# Altium PCB Board.PcbDoc (part 3 of 4)
Units mm, origin at the board's own origin, x right, y up, seen from the top; angles counter-clockwise.
Board outline 69.6 x 30 mm, 6 copper layers (Top Layer, Int1 (GND), Int2 (Sign), Int3 (Sign), Int4 (PWR), Bottom Layer), stack 1.538 mm thick; 168 components, 266 nets, 1359 pads, 531 vias.
Unrouted connection lines stored in the file: 254.
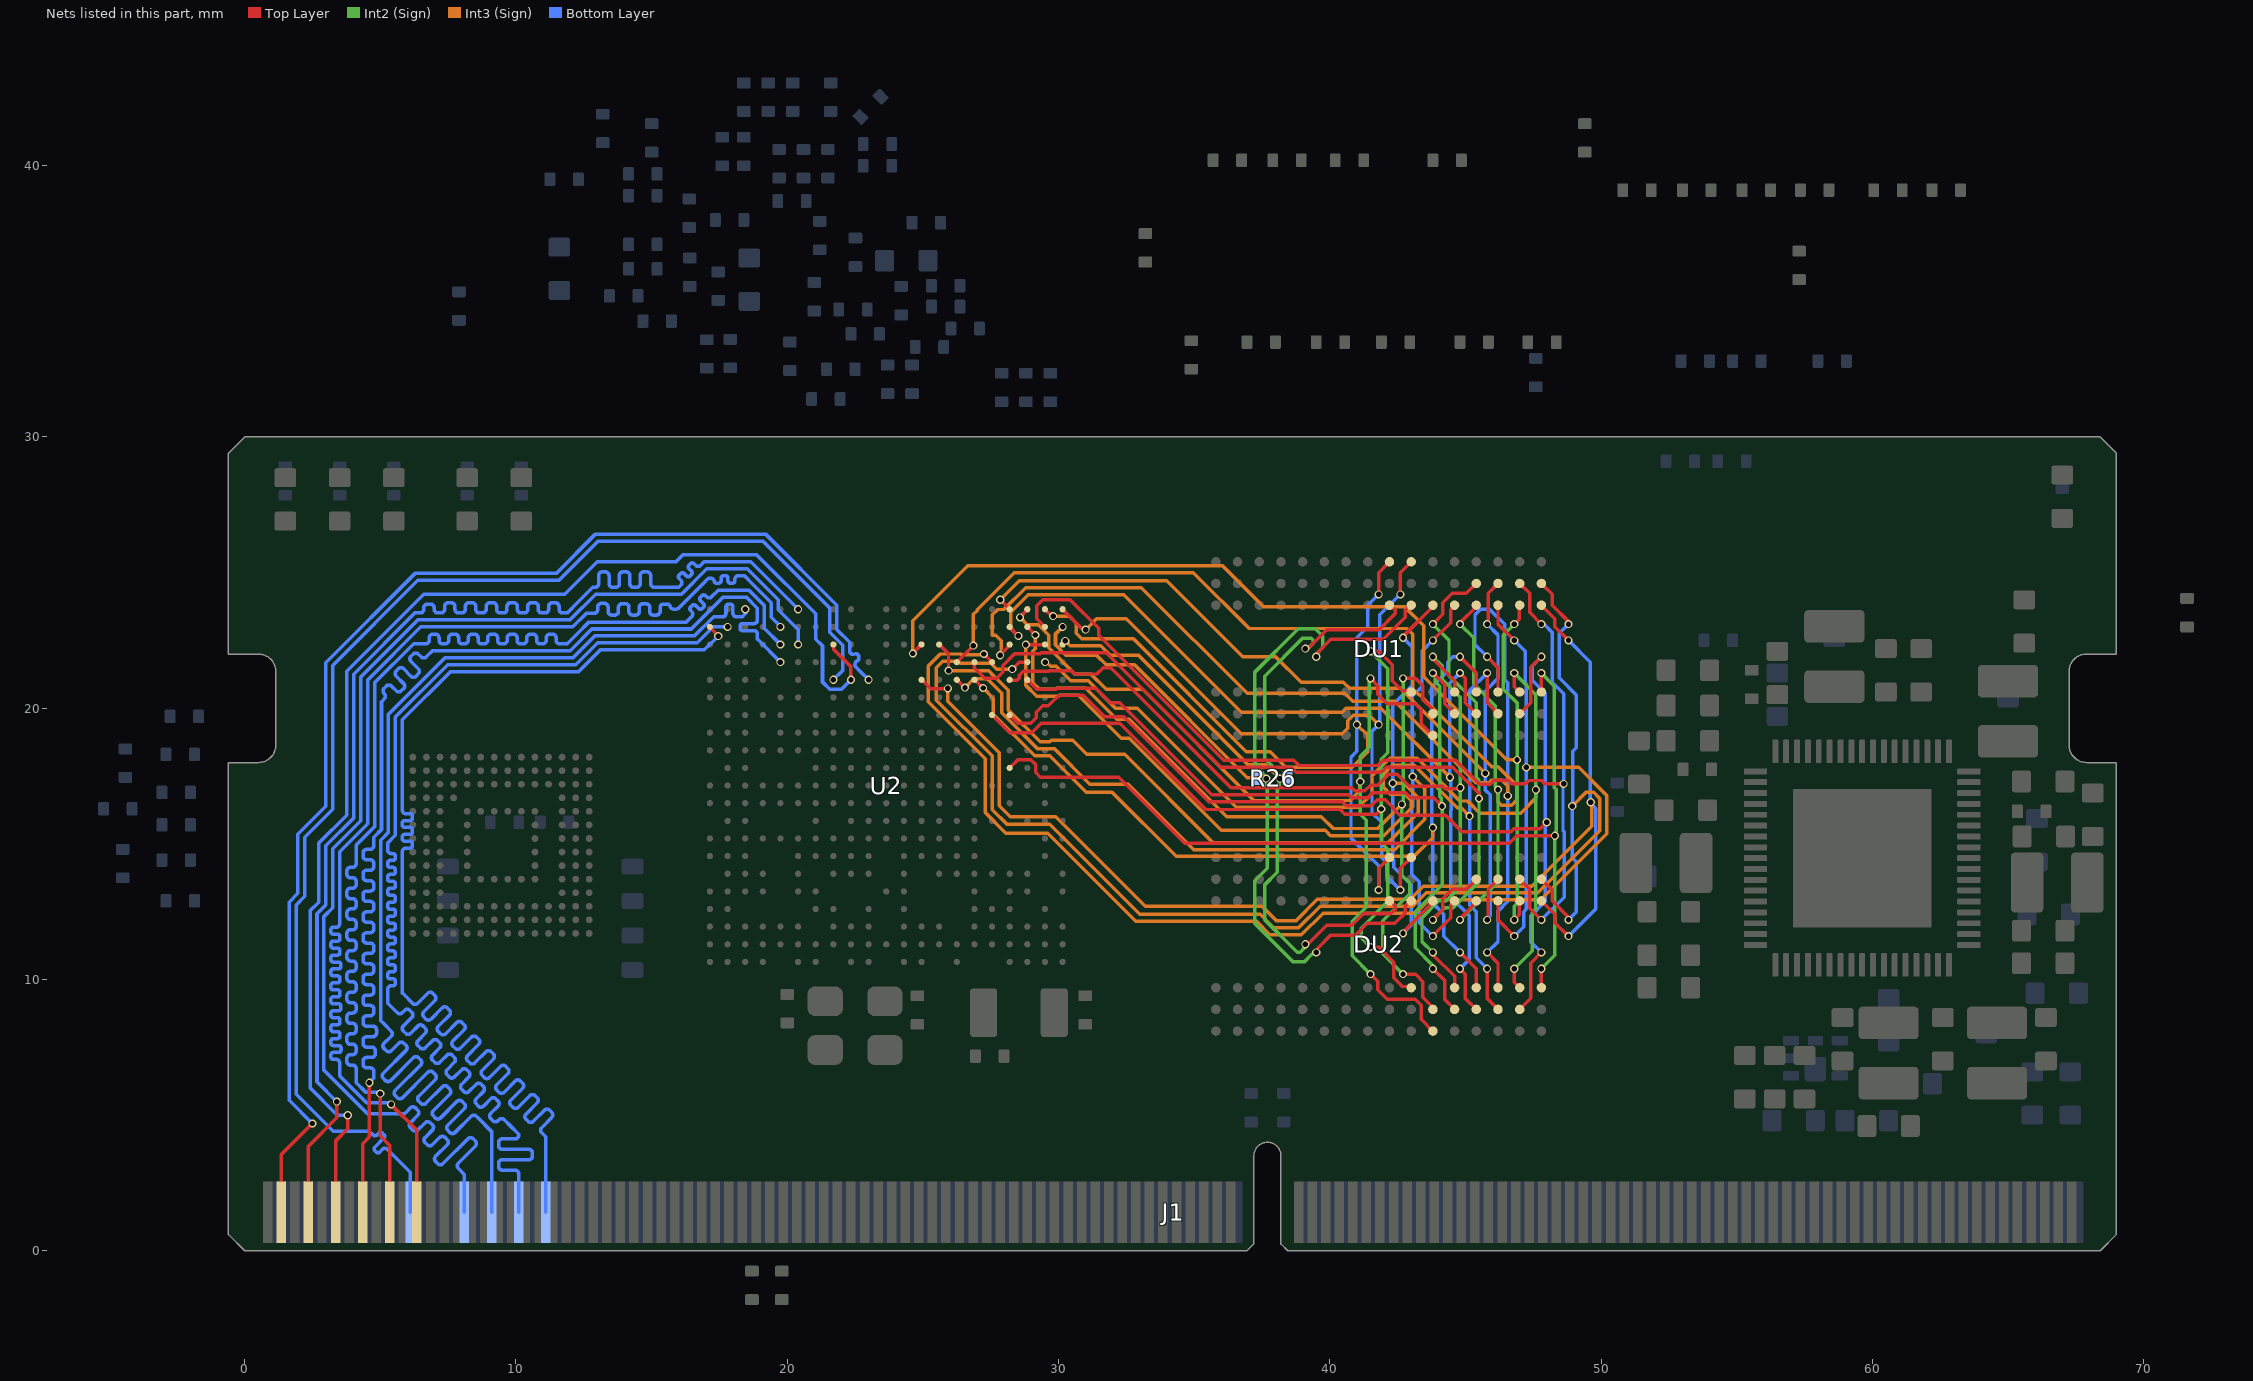
[diagram p7: the nets of this part, all layers, seen from the top]

## Via types
v1: diameter 0.3, hole 0.2, Top Layer to Bottom Layer, tented both sides, 363 vias
v2: diameter 0.45, hole 0.2, Top Layer to Bottom Layer, tented both sides, 117 vias
v3: diameter 0.4, hole 0.2, Top Layer to Bottom Layer, tented both sides, 35 vias
v4: diameter 0.8, hole 0.3, Top Layer to Bottom Layer, 16 vias

## Nets (pads, with @x,y where several pads share a name; then routed paths per layer and width w, separated by ;. In a path a pad name is that pad's centre, name@x,y a point inside that pad or via, vN(x,y) a via of type N, cw(c..) or ccw(c..) an arc to the next point about the centre after c; other vN are vias at no path point) (continued)
RGMII_RX1: J1.38 U2.B20 | length 49.1
  Bottom Layer w0.13: J1.38@10.1,1.422 10.1,2.425 10.1,2.84 ccw(c9.966,2.84) 9.966,2.974 9.491,2.974 cw(c9.491,3.108) 9.357,3.108 9.357,3.223 cw(c9.491,3.223) 9.491,3.357 10.474,3.357 ccw(c10.474,3.492) 10.608,3.492 10.608,3.607 ccw(c10.474,3.607) 10.474,3.741 9.491,3.741 cw(c9.491,3.875) 9.357,3.875 9.357,3.99 cw(c9.491,3.99) 9.491,4.125 9.966,4.125 ccw(c9.966,4.259) 10.1,4.259 10.1,4.3 9.76,4.64 9.61,4.79 9.564,4.836 ccw(c9.47,4.742) 9.376,4.836 9.339,4.798 cw(c9.245,4.892) 9.151,4.798 9.071,4.879 cw(c9.164,4.973) 9.071,5.067 9.338,5.334 ccw(c9.244,5.428) 9.338,5.522 9.257,5.602 ccw(c9.163,5.508) 9.069,5.602 8.802,5.335 cw(c8.708,5.429) 8.614,5.335 8.534,5.416 cw(c8.628,5.509) 8.534,5.603 8.801,5.871 ccw(c8.707,5.965) 8.801,6.059 8.721,6.139 ccw(c8.627,6.045) 8.533,6.139 8.265,5.872 cw(c8.171,5.966) 8.078,5.872 7.997,5.952 cw(c8.091,6.046) 7.997,6.14 8.265,6.408 ccw(c8.171,6.502) 8.265,6.596 8.184,6.676 ccw(c8.09,6.582) 7.996,6.676 7.729,6.409 cw(c7.635,6.502) 7.541,6.409 7.46,6.489 cw(c7.554,6.583) 7.46,6.677 7.728,6.945 ccw(c7.634,7.039) 7.728,7.133 7.648,7.213 ccw(c7.554,7.119) 7.46,7.213 7.192,6.945 cw(c7.098,7.039) 7.004,6.945 6.924,7.026 cw(c7.017,7.12) 6.924,7.214 7.192,7.482 ccw(c7.098,7.576) 7.192,7.67 7.111,7.75 ccw(c7.017,7.656) 6.923,7.75 6.655,7.482 cw(c6.561,7.576) 6.467,7.482 6.387,7.563 cw(c6.481,7.656) 6.387,7.75 6.656,8.019 ccw(c6.562,8.113) 6.656,8.207 6.575,8.288 ccw(c6.481,8.194) 6.387,8.288 6.118,8.019 cw(c6.024,8.113) 5.931,8.019 5.85,8.099 cw(c5.944,8.193) 5.85,8.287 6.163,8.6 ccw(c6.069,8.694) 6.163,8.788 6.082,8.868 ccw(c5.988,8.774) 5.894,8.868 5.807,8.781 cw(c5.713,8.875) 5.619,8.781 5.418,8.982 5.272,9.128 5.272,9.321 5.272,9.642 cw(c5.402,9.642) 5.402,9.772 5.468,9.772 ccw(c5.468,9.862) 5.558,9.862 5.558,9.939 ccw(c5.468,9.939) 5.468,10.028 5.362,10.028 cw(c5.362,10.118) 5.272,10.118 5.272,10.195 cw(c5.362,10.195) 5.362,10.285 5.468,10.285 ccw(c5.468,10.375) 5.558,10.375 5.558,10.452 ccw(c5.468,10.452) 5.468,10.541 5.362,10.541 cw(c5.362,10.631) 5.272,10.631 5.272,10.708 cw(c5.362,10.708) 5.362,10.798 5.468,10.798 ccw(c5.468,10.888) 5.558,10.888 5.558,10.965 ccw(c5.468,10.965) 5.468,11.054 5.362,11.054 cw(c5.362,11.144) 5.272,11.144 5.272,11.221 cw(c5.362,11.221) 5.362,11.311 5.468,11.311 ccw(c5.468,11.401) 5.558,11.401 5.558,11.478 ccw(c5.468,11.478) 5.468,11.568 5.362,11.568 cw(c5.362,11.657) 5.272,11.657 5.272,11.734 cw(c5.362,11.734) 5.362,11.824 5.468,11.824 ccw(c5.468,11.914) 5.558,11.914 5.558,11.991 ccw(c5.468,11.991) 5.468,12.081 5.362,12.081 cw(c5.362,12.17) 5.272,12.17 5.272,12.247 cw(c5.362,12.247) 5.362,12.337 5.468,12.337 ccw(c5.468,12.427) 5.558,12.427 5.558,12.504 ccw(c5.468,12.504) 5.468,12.594 5.362,12.594 cw(c5.362,12.683) 5.272,12.683 5.272,12.76 cw(c5.362,12.76) 5.362,12.85 5.468,12.85 ccw(c5.468,12.94) 5.558,12.94 5.558,13.017 ccw(c5.468,13.017) 5.468,13.107 5.362,13.107 cw(c5.362,13.197) 5.272,13.197 5.272,13.274 cw(c5.362,13.274) 5.362,13.363 5.468,13.363 ccw(c5.468,13.453) 5.558,13.453 5.558,13.53 ccw(c5.468,13.53) 5.468,13.62 5.362,13.62 cw(c5.362,13.71) 5.272,13.71 5.272,13.787 cw(c5.362,13.787) 5.362,13.876 5.468,13.876 ccw(c5.468,13.966) 5.558,13.966 5.558,14.043 ccw(c5.468,14.043) 5.468,14.133 5.362,14.133 cw(c5.362,14.223) 5.272,14.223 5.272,14.3 cw(c5.362,14.3) 5.362,14.389 5.468,14.389 ccw(c5.468,14.479) 5.558,14.479 5.558,14.556 ccw(c5.468,14.556) 5.468,14.646 5.402,14.646 cw(c5.402,14.776) 5.272,14.776 5.272,15.035 5.557,15.319 5.557,15.323 5.557,19.677 7.489,21.609 12.209,21.609 13.009,22.409 16.681,22.409 17.276,23.004 17.796,23.004 v1(17.8,23)
RGMII_RX2: J1.22 U2.H17 | length 48.5
  Bottom Layer w0.13: J1.22@6.1,1.422 6.1,2.9 5.306,3.694 5.26,3.74 ccw(c5.169,3.648) 5.077,3.74 4.977,3.64 cw(c4.913,3.703) 4.85,3.64 4.795,3.694 cw(c4.859,3.758) 4.795,3.821 5.131,4.157 ccw(c5.068,4.22) 5.131,4.284 5.077,4.338 ccw(c5.013,4.275) 4.95,4.338 4.897,4.286 cw(c4.806,4.377) 4.714,4.286 4.598,4.402 4.237,4.402 3.27,4.402 1.896,5.776 1.896,12.747 2.217,13.069 2.217,15.245 3.248,16.276 3.248,21.576 6.385,24.713 11.587,24.713 13.04,26.165 19.094,26.165 21.563,23.696 21.563,22.8 22.042,22.321 22.042,21.392 v1(21.7,21.05)
RGMII_RX3: J1.34 U2.C21 | length 48.6
  Bottom Layer w0.13: J1.34@9.1,1.422 9.1,4.4 8.586,4.914 8.54,4.96 ccw(c8.446,4.866) 8.353,4.96 7.754,4.361 cw(c7.66,4.455) 7.566,4.361 7.485,4.441 cw(c7.579,4.535) 7.485,4.629 8.096,5.239 ccw(c8.002,5.333) 8.096,5.427 8.015,5.508 ccw(c7.921,5.414) 7.827,5.508 7.217,4.898 cw(c7.123,4.992) 7.029,4.898 6.949,4.978 cw(c7.043,5.072) 6.949,5.166 7.559,5.776 ccw(c7.465,5.87) 7.559,5.964 7.478,6.044 ccw(c7.384,5.951) 7.29,6.044 6.68,5.434 cw(c6.586,5.528) 6.492,5.434 6.412,5.515 cw(c6.506,5.609) 6.412,5.703 7.022,6.313 ccw(c6.928,6.407) 7.022,6.501 6.942,6.581 ccw(c6.848,6.487) 6.754,6.581 5.817,5.645 cw(c5.723,5.739) 5.629,5.645 5.549,5.725 cw(c5.643,5.819) 5.549,5.913 6.485,6.85 ccw(c6.391,6.944) 6.485,7.037 6.405,7.118 ccw(c6.311,7.024) 6.217,7.118 5.378,6.279 cw(c5.284,6.373) 5.19,6.279 5.11,6.359 cw(c5.203,6.453) 5.11,6.547 5.949,7.386 ccw(c5.855,7.48) 5.949,7.574 5.868,7.655 ccw(c5.774,7.561) 5.68,7.655 5.403,7.378 cw(c5.309,7.472) 5.216,7.378 5.135,7.458 cw(c5.229,7.552) 5.135,7.646 5.4,7.912 ccw(c5.306,8.006) 5.4,8.1 5.097,8.403 5.016,8.484 5.016,15.141 5.3,15.426 5.3,19.783 7.383,21.866 12.103,21.866 12.903,22.666 16.575,22.666 17.285,23.376 17.548,23.376 17.613,23.376 ccw(c17.613,23.506) 17.742,23.506 17.742,23.744 cw(c17.832,23.744) 17.832,23.834 17.909,23.834 cw(c17.909,23.744) 17.999,23.744 17.999,23.506 ccw(c18.129,23.506) 18.129,23.376 18.35,23.376 18.402,23.429 18.494,23.521 18.494,23.56 18.45,23.604 v1(18.45,23.65)
RGMII_RXCK: J1.42 U2.A20 | length 48.6
  Top Layer w0.127: U2.A20@17.15,23 17.15,22.985 17.457,22.678 v1(17.457,22.663)
  Bottom Layer w0.127: J1.42@11.1,1.422 11.1,3.688 11.1,4.2 10.948,4.353 cw(c11.042,4.447) 10.948,4.541 11.321,4.914 ccw(c11.227,5.009) 11.321,5.103 11.24,5.184 ccw(c11.146,5.089) 11.051,5.184 10.639,4.771 cw(c10.545,4.865) 10.45,4.771 10.369,4.852 cw(c10.464,4.946) 10.369,5.04 10.782,5.453 ccw(c10.688,5.547) 10.782,5.642 10.701,5.723 ccw(c10.607,5.628) 10.513,5.723 10.078,5.288 cw(c9.984,5.382) 9.889,5.288 9.809,5.369 cw(c9.903,5.463) 9.809,5.557 10.243,5.992 ccw(c10.149,6.086) 10.243,6.18 10.162,6.261 ccw(c10.068,6.167) 9.974,6.261 9.561,5.848 cw(c9.466,5.942) 9.372,5.848 9.291,5.929 cw(c9.385,6.023) 9.291,6.117 9.704,6.531 ccw(c9.61,6.625) 9.704,6.719 9.624,6.8 ccw(c9.529,6.706) 9.435,6.8 9.022,6.387 cw(c8.928,6.481) 8.834,6.387 8.753,6.468 cw(c8.847,6.562) 8.753,6.657 9.166,7.07 ccw(c9.071,7.164) 9.166,7.258 9.085,7.339 ccw(c8.991,7.245) 8.896,7.339 8.484,6.926 cw(c8.389,7.021) 8.295,6.926 8.214,7.007 cw(c8.309,7.101) 8.214,7.196 8.627,7.608 ccw(c8.533,7.703) 8.627,7.797 8.546,7.878 ccw(c8.452,7.783) 8.357,7.878 7.945,7.465 cw(c7.851,7.56) 7.757,7.465 7.676,7.546 cw(c7.77,7.641) 7.676,7.735 8.088,8.147 ccw(c7.994,8.241) 8.088,8.336 8.007,8.417 ccw(c7.913,8.322) 7.819,8.417 7.407,8.005 cw(c7.312,8.099) 7.218,8.005 7.137,8.085 cw(c7.231,8.18) 7.137,8.274 7.549,8.686 ccw(c7.455,8.78) 7.549,8.875 7.468,8.955 ccw(c7.374,8.861) 7.28,8.955 6.868,8.544 cw(c6.774,8.638) 6.68,8.544 6.599,8.625 cw(c6.693,8.719) 6.599,8.814 7.01,9.225 ccw(c6.916,9.319) 7.01,9.413 6.93,9.494 ccw(c6.835,9.4) 6.741,9.494 6.374,9.127 cw(c6.279,9.221) 6.185,9.127 5.858,9.455 5.813,9.5 5.813,14.4 5.813,14.718 cw(c5.94,14.718) 5.94,14.845 6.094,14.845 ccw(c6.094,14.933) 6.183,14.933 6.183,15.01 ccw(c6.094,15.01) 6.094,15.099 5.901,15.099 cw(c5.901,15.187) 5.812,15.187 5.812,15.264 cw(c5.901,15.264) 5.901,15.353 6.094,15.353 ccw(c6.094,15.441) 6.183,15.441 6.183,15.518 ccw(c6.094,15.518) 6.094,15.607 5.901,15.607 cw(c5.901,15.695) 5.812,15.695 5.812,15.772 cw(c5.901,15.772) 5.901,15.861 6.094,15.861 ccw(c6.094,15.949) 6.183,15.949 6.183,16.026 ccw(c6.094,16.026) 6.094,16.115 5.94,16.115 cw(c5.94,16.242) 5.813,16.242 5.813,16.758 5.813,19.572 7.595,21.354 12.315,21.354 13.115,22.154 16.948,22.154 v1(17.457,22.663)
RGMII_RXCTL: J1.30 U2.F19 | length 48.5
  Bottom Layer w0.13: J1.30@8.1,1.422 8.1,2.447 8.1,2.812 7.87,3.041 cw(c7.965,3.136) 7.87,3.231 8.501,3.862 ccw(c8.406,3.956) 8.501,4.051 8.419,4.133 ccw(c8.325,4.038) 8.23,4.133 7.306,3.209 cw(c7.211,3.304) 7.116,3.209 7.035,3.291 cw(c7.13,3.386) 7.035,3.48 7.464,3.91 ccw(c7.369,4.005) 7.464,4.1 7.383,4.181 ccw(c7.288,4.086) 7.193,4.181 6.92,3.908 cw(c6.826,4.003) 6.731,3.908 6.649,3.99 cw(c6.744,4.085) 6.649,4.18 6.922,4.452 ccw(c6.827,4.547) 6.922,4.642 6.841,4.723 ccw(c6.746,4.629) 6.651,4.723 6.383,4.456 cw(c6.288,4.551) 6.193,4.456 6.112,4.537 cw(c6.207,4.632) 6.112,4.727 6.379,4.995 ccw(c6.285,5.09) 6.379,5.184 6.298,5.266 ccw(c6.203,5.171) 6.108,5.266 5.936,5.093 cw(c5.841,5.188) 5.841,5.054 5.154,5.054 4.528,5.054 2.922,6.66 2.922,12.322 3.243,12.643 3.243,14.82 4.274,15.851 4.274,21.151 6.323,23.2 6.38,23.257 11.994,23.257 12.937,24.2 16.1,24.2 17.039,25.139 18.532,25.139 19.67,24.002 19.67,23.63 20.4,22.9 v1(20.4,22.35)
RGMII_TXCK: J1.19 U2.E19 | length 47
  Top Layer w0.13: v1(4.996,5.796) 4.996,4.238 5.35,3.883 J1.19@5.35,1.422
  Bottom Layer w0.13: v1(4.996,5.796) 4.937,5.854 4.454,5.854 4.107,6.201 4.107,6.649 4.107,6.714 ccw(c3.973,6.714) 3.973,6.848 3.903,6.848 cw(c3.903,6.982) 3.769,6.982 3.769,7.097 cw(c3.903,7.097) 3.903,7.231 3.973,7.231 ccw(c3.973,7.366) 4.107,7.366 4.107,7.481 ccw(c3.973,7.481) 3.973,7.615 3.903,7.615 cw(c3.903,7.749) 3.769,7.749 3.769,7.864 cw(c3.903,7.864) 3.903,7.999 3.973,7.999 ccw(c3.973,8.133) 4.108,8.133 4.108,8.248 ccw(c3.973,8.248) 3.973,8.382 3.903,8.382 cw(c3.903,8.516) 3.769,8.516 3.769,8.631 cw(c3.903,8.631) 3.903,8.766 3.973,8.766 ccw(c3.973,8.9) 4.108,8.9 4.108,9.015 ccw(c3.973,9.015) 3.973,9.149 3.903,9.149 cw(c3.903,9.283) 3.769,9.283 3.769,9.398 cw(c3.903,9.398) 3.903,9.533 3.974,9.533 ccw(c3.974,9.667) 4.108,9.667 4.108,9.782 ccw(c3.974,9.782) 3.974,9.916 3.903,9.916 cw(c3.903,10.051) 3.769,10.051 3.769,10.166 cw(c3.903,10.166) 3.903,10.3 3.974,10.3 ccw(c3.974,10.434) 4.108,10.434 4.108,10.549 ccw(c3.974,10.549) 3.974,10.683 3.903,10.683 cw(c3.903,10.818) 3.769,10.818 3.769,10.933 cw(c3.903,10.933) 3.903,11.067 3.974,11.067 ccw(c3.974,11.201) 4.108,11.201 4.108,11.316 ccw(c3.974,11.316) 3.974,11.45 3.903,11.45 cw(c3.903,11.585) 3.769,11.585 3.769,11.7 cw(c3.903,11.7) 3.903,11.834 3.974,11.834 ccw(c3.974,11.968) 4.108,11.968 4.108,12.083 ccw(c3.974,12.083) 3.974,12.218 3.903,12.218 cw(c3.903,12.352) 3.769,12.352 3.769,12.467 cw(c3.903,12.467) 3.903,12.601 3.974,12.601 ccw(c3.974,12.735) 4.108,12.735 4.108,12.85 ccw(c3.974,12.85) 3.974,12.985 3.903,12.985 cw(c3.903,13.119) 3.769,13.119 3.769,13.234 cw(c3.903,13.234) 3.903,13.368 3.974,13.368 ccw(c3.974,13.502) 4.108,13.502 4.108,13.617 ccw(c3.974,13.617) 3.974,13.752 3.903,13.752 cw(c3.903,13.886) 3.769,13.886 3.769,14.001 cw(c3.903,14.001) 3.903,14.135 3.973,14.135 ccw(c3.973,14.269) 4.107,14.269 4.107,14.958 4.787,15.638 4.787,20.938 6.228,22.379 6.61,22.379 6.675,22.379 ccw(c6.675,22.508) 6.805,22.508 6.805,22.601 cw(c6.93,22.601) 6.93,22.727 7.038,22.727 cw(c7.038,22.601) 7.164,22.601 7.164,22.505 ccw(c7.29,22.505) 7.29,22.379 7.398,22.379 ccw(c7.398,22.505) 7.524,22.505 7.524,22.601 cw(c7.65,22.601) 7.65,22.727 7.757,22.727 cw(c7.757,22.601) 7.883,22.601 7.883,22.505 ccw(c8.009,22.505) 8.009,22.379 8.117,22.379 ccw(c8.117,22.505) 8.243,22.505 8.243,22.601 cw(c8.369,22.601) 8.369,22.727 8.476,22.727 cw(c8.476,22.601) 8.602,22.601 8.602,22.505 ccw(c8.728,22.505) 8.728,22.379 8.836,22.379 ccw(c8.836,22.505) 8.962,22.505 8.962,22.601 cw(c9.088,22.601) 9.088,22.727 9.196,22.727 cw(c9.196,22.601) 9.321,22.601 9.321,22.505 ccw(c9.447,22.505) 9.447,22.379 9.555,22.379 ccw(c9.555,22.505) 9.681,22.505 9.681,22.601 cw(c9.807,22.601) 9.807,22.727 9.915,22.727 cw(c9.915,22.601) 10.04,22.601 10.04,22.505 ccw(c10.166,22.505) 10.166,22.379 10.274,22.379 ccw(c10.274,22.505) 10.4,22.505 10.4,22.601 cw(c10.526,22.601) 10.526,22.727 10.634,22.727 cw(c10.634,22.601) 10.76,22.601 10.76,22.505 ccw(c10.885,22.505) 10.885,22.379 10.993,22.379 ccw(c10.993,22.505) 11.119,22.505 11.119,22.601 cw(c11.245,22.601) 11.245,22.727 11.353,22.727 cw(c11.353,22.601) 11.479,22.601 11.479,22.508 ccw(c11.608,22.508) 11.608,22.379 11.89,22.379 12.272,22.76 12.69,23.179 16.279,23.179 16.435,23.335 16.481,23.381 ccw(c16.389,23.473) 16.481,23.564 16.438,23.608 cw(c16.501,23.671) 16.438,23.734 16.492,23.789 cw(c16.556,23.725) 16.619,23.789 16.732,23.676 ccw(c16.796,23.739) 16.859,23.676 16.913,23.73 ccw(c16.85,23.794) 16.913,23.857 16.8,23.97 cw(c16.864,24.034) 16.8,24.097 16.855,24.152 cw(c16.918,24.088) 16.982,24.152 17.025,24.108 ccw(c17.117,24.2) 17.208,24.108 17.457,24.357 18.59,24.357 19.157,23.79 19.157,22.943 v1(19.75,22.35)
RGMII_TXCTL: J1.3 U2.K17 | length 47
  Top Layer w0.13: J1.3@1.35,1.422 1.35,3.55 v1(2.494,4.694)
  Bottom Layer w0.13: v1(2.494,4.694) 1.639,5.549 1.639,12.853 1.961,13.175 1.961,15.352 2.991,16.382 2.991,21.682 6.279,24.97 11.481,24.97 12.934,26.422 19.2,26.422 21.82,23.802 21.82,22.906 22.298,22.427 22.298,22.225 22.298,22.117 ccw(c22.428,22.117) 22.45,21.989 22.525,22.002 cw(c22.541,21.914) 22.629,21.93 22.643,21.854 cw(c22.554,21.838) 22.57,21.75 ccw(c22.648,21.618) 22.539,21.511 22.656,21.394 22.712,21.338 v1(23,21.05)
RGMII_TXD0: J1.11 U2.H19 | length 46.9
  Top Layer w0.13: J1.11@3.35,1.422 3.35,4.05 3.8,4.5 v1(3.8,5) ; U2.H19@21.7,22.35 21.719,22.331 21.719,22.164 22.35,21.533 v1(22.35,21.05)
  Bottom Layer w0.13: v1(3.8,5) 3.417,5 2.409,6.008 2.409,12.534 2.73,12.856 2.73,15.033 3.761,16.063 3.761,21.363 6.598,24.2 11.8,24.2 13,25.4 15.9,25.4 16.152,25.652 18.881,25.652 21.05,23.483 21.05,22.55 21.3,22.3 21.3,20.967 21.567,20.7 22,20.7 v1(22.35,21.05)
RGMII_TXD1: J1.7 U2.F21 | length 47.1
  Top Layer w0.13: J1.7@2.35,1.422 2.35,3.85 3.4,4.9 v1(3.4,5.5)
  Bottom Layer w0.13: v1(3.4,5.5) 2.665,6.235 2.665,12.428 2.987,12.75 2.987,14.927 4.017,15.957 4.017,21.257 6.217,23.457 6.273,23.513 6.402,23.513 6.467,23.513 ccw(c6.467,23.647) 6.601,23.647 6.601,23.706 cw(c6.735,23.706) 6.735,23.84 6.85,23.84 cw(c6.85,23.706) 6.984,23.706 6.984,23.647 ccw(c7.119,23.647) 7.119,23.513 7.234,23.513 ccw(c7.234,23.647) 7.368,23.647 7.368,23.754 cw(c7.502,23.754) 7.502,23.888 7.617,23.888 cw(c7.617,23.754) 7.751,23.754 7.751,23.647 ccw(c7.886,23.647) 7.886,23.513 8.001,23.513 ccw(c8.001,23.647) 8.135,23.647 8.135,23.754 cw(c8.269,23.754) 8.269,23.888 8.384,23.888 cw(c8.384,23.754) 8.518,23.754 8.518,23.647 ccw(c8.653,23.647) 8.653,23.513 8.768,23.513 ccw(c8.768,23.647) 8.902,23.647 8.902,23.754 cw(c9.036,23.754) 9.036,23.888 9.151,23.888 cw(c9.151,23.754) 9.286,23.754 9.286,23.647 ccw(c9.42,23.647) 9.42,23.513 9.535,23.513 ccw(c9.535,23.647) 9.669,23.647 9.669,23.754 cw(c9.803,23.754) 9.803,23.888 9.918,23.888 cw(c9.918,23.754) 10.053,23.754 10.053,23.647 ccw(c10.187,23.647) 10.187,23.513 10.302,23.513 ccw(c10.302,23.647) 10.436,23.647 10.436,23.754 cw(c10.57,23.754) 10.57,23.888 10.685,23.888 cw(c10.685,23.754) 10.82,23.754 10.82,23.647 ccw(c10.954,23.647) 10.954,23.513 11.069,23.513 ccw(c11.069,23.647) 11.203,23.647 11.203,23.754 cw(c11.337,23.754) 11.337,23.888 11.453,23.888 cw(c11.453,23.754) 11.587,23.754 11.587,23.647 ccw(c11.721,23.647) 11.721,23.513 11.887,23.513 12.297,23.922 12.831,24.457 12.848,24.457 12.912,24.457 ccw(c12.912,24.591) 13.047,24.591 13.047,24.893 cw(c13.181,24.893) 13.181,25.028 13.296,25.028 cw(c13.296,24.893) 13.43,24.893 13.43,24.591 ccw(c13.564,24.591) 13.564,24.457 13.68,24.457 ccw(c13.68,24.591) 13.814,24.591 13.814,24.893 cw(c13.948,24.893) 13.948,25.028 14.063,25.028 cw(c14.063,24.893) 14.197,24.893 14.197,24.591 ccw(c14.332,24.591) 14.332,24.457 14.447,24.457 ccw(c14.447,24.591) 14.581,24.591 14.581,24.893 cw(c14.715,24.893) 14.715,25.028 14.83,25.028 cw(c14.83,24.893) 14.964,24.893 14.964,24.591 ccw(c15.099,24.591) 15.099,24.457 15.879,24.457 15.887,24.457 15.994,24.457 16.078,24.541 ccw(c15.986,24.632) 16.078,24.724 16.015,24.786 cw(c16.078,24.85) 16.015,24.913 16.069,24.968 cw(c16.133,24.904) 16.196,24.968 16.287,24.877 ccw(c16.351,24.94) 16.414,24.877 16.469,24.931 ccw(c16.405,24.995) 16.469,25.058 16.378,25.149 cw(c16.441,25.213) 16.378,25.276 16.432,25.331 cw(c16.496,25.267) 16.559,25.331 16.622,25.268 ccw(c16.714,25.36) 16.805,25.268 16.933,25.396 17.158,25.396 18.654,25.396 v1(20.4,23.65)
RGMII_TXD2: J1.23 U2.E20 | length 47.6
  Top Layer w0.13: v1(5.396,5.396) 6.35,4.441 J1.23@6.35,1.422
  Bottom Layer w0.13: v1(5.396,5.396) 5.337,5.454 4.491,5.454 3.5,6.445 3.5,6.861 3.5,6.925 ccw(c3.37,6.925) 3.37,7.055 3.268,7.055 cw(c3.268,7.145) 3.178,7.145 3.178,7.222 cw(c3.268,7.222) 3.268,7.311 3.461,7.311 ccw(c3.461,7.401) 3.551,7.401 3.551,7.478 ccw(c3.461,7.478) 3.461,7.568 3.268,7.568 cw(c3.268,7.658) 3.178,7.658 3.178,7.735 cw(c3.268,7.735) 3.268,7.824 3.422,7.824 ccw(c3.422,7.914) 3.512,7.914 3.512,7.991 ccw(c3.422,7.991) 3.422,8.081 3.268,8.081 cw(c3.268,8.171) 3.178,8.171 3.178,8.248 cw(c3.268,8.248) 3.268,8.338 3.422,8.338 ccw(c3.422,8.427) 3.512,8.427 3.512,8.504 ccw(c3.422,8.504) 3.422,8.594 3.268,8.594 cw(c3.268,8.684) 3.178,8.684 3.178,8.761 cw(c3.268,8.761) 3.268,8.851 3.457,8.851 ccw(c3.457,8.94) 3.547,8.94 3.547,9.017 ccw(c3.457,9.017) 3.457,9.107 3.268,9.107 cw(c3.268,9.197) 3.178,9.197 3.178,9.274 cw(c3.268,9.274) 3.268,9.364 3.422,9.364 ccw(c3.422,9.453) 3.512,9.453 3.512,9.53 ccw(c3.422,9.53) 3.422,9.62 3.268,9.62 cw(c3.268,9.71) 3.178,9.71 3.178,9.787 cw(c3.268,9.787) 3.268,9.877 3.422,9.877 ccw(c3.422,9.967) 3.512,9.967 3.512,10.044 ccw(c3.422,10.044) 3.422,10.133 3.268,10.133 cw(c3.268,10.223) 3.178,10.223 3.178,10.3 cw(c3.268,10.3) 3.268,10.39 3.454,10.39 ccw(c3.454,10.48) 3.543,10.48 3.543,10.557 ccw(c3.454,10.557) 3.454,10.646 3.268,10.646 cw(c3.268,10.736) 3.178,10.736 3.178,10.813 cw(c3.268,10.813) 3.268,10.903 3.422,10.903 ccw(c3.422,10.993) 3.512,10.993 3.512,11.07 ccw(c3.422,11.07) 3.422,11.159 3.268,11.159 cw(c3.268,11.249) 3.178,11.249 3.178,11.326 cw(c3.268,11.326) 3.268,11.416 3.422,11.416 ccw(c3.422,11.506) 3.512,11.506 3.512,11.583 ccw(c3.422,11.583) 3.422,11.673 3.268,11.673 cw(c3.268,11.762) 3.178,11.762 3.178,11.839 cw(c3.268,11.839) 3.268,11.929 3.37,11.929 ccw(c3.37,12.059) 3.5,12.059 3.5,12.549 3.5,14.714 4.53,15.744 4.53,21.044 6.486,23 12.1,23 12.6,23.5 12.811,23.5 12.877,23.5 ccw(c12.877,23.634) 13.012,23.633 13.012,23.732 cw(c13.147,23.731) 13.148,23.865 13.263,23.864 cw(c13.262,23.73) 13.396,23.728 13.395,23.573 ccw(c13.529,23.572) 13.527,23.438 13.643,23.437 ccw(c13.644,23.571) 13.778,23.57 13.78,23.725 cw(c13.914,23.723) 13.915,23.858 14.03,23.856 cw(c14.029,23.722) 14.163,23.721 14.162,23.573 ccw(c14.296,23.572) 14.295,23.438 14.41,23.437 ccw(c14.411,23.571) 14.545,23.57 14.547,23.717 cw(c14.681,23.716) 14.682,23.85 14.797,23.849 cw(c14.796,23.715) 14.93,23.714 14.929,23.573 ccw(c15.063,23.572) 15.062,23.438 15.177,23.437 ccw(c15.178,23.571) 15.312,23.57 15.314,23.71 cw(c15.448,23.708) 15.449,23.843 15.564,23.842 cw(c15.563,23.707) 15.697,23.706 ccw(c15.851,23.876) 16.013,23.713 16.175,23.875 16.937,24.637 17.053,24.753 cw(c17.161,24.644) 17.303,24.703 ; 17.303,24.703 ccw(c17.393,24.703) 17.393,24.613 17.47,24.613 ccw(c17.47,24.703) 17.559,24.703 17.559,24.793 cw(c17.649,24.793) 17.649,24.883 17.726,24.883 cw(c17.726,24.793) 17.816,24.793 17.816,24.703 ccw(c17.906,24.703) 17.906,24.613 17.983,24.613 ccw(c17.983,24.703) 18.072,24.703 18.072,24.753 cw(c18.202,24.753) 18.202,24.883 18.426,24.883 18.752,24.557 19.413,23.896 19.413,23.354 19.75,23.017 v1(19.75,23)
RGMII_TXD3: J1.15 U2.E18 | length 47.1
  Top Layer w0.13: J1.15@4.35,1.422 4.35,3.95 4.596,4.196 v1(4.596,6.196)
  Bottom Layer w0.13: v1(4.596,6.196) 4.759,6.359 4.759,6.544 4.759,6.609 ccw(c4.625,6.609) 4.625,6.743 4.498,6.743 cw(c4.498,6.878) 4.364,6.878 4.364,6.993 cw(c4.498,6.993) 4.498,7.127 4.68,7.127 ccw(c4.68,7.261) 4.815,7.261 4.815,7.376 ccw(c4.68,7.376) 4.68,7.51 4.498,7.51 cw(c4.498,7.645) 4.364,7.645 4.364,7.76 cw(c4.498,7.76) 4.498,7.894 4.725,7.894 ccw(c4.725,8.028) 4.86,8.028 4.86,8.143 ccw(c4.725,8.143) 4.725,8.277 4.498,8.277 cw(c4.498,8.412) 4.364,8.412 4.364,8.527 cw(c4.498,8.527) 4.498,8.661 4.625,8.661 ccw(c4.625,8.795) 4.759,8.795 4.759,8.91 ccw(c4.625,8.91) 4.625,9.045 4.498,9.045 cw(c4.498,9.179) 4.364,9.179 4.364,9.294 cw(c4.498,9.294) 4.498,9.428 4.625,9.428 ccw(c4.625,9.562) 4.759,9.562 4.759,9.677 ccw(c4.625,9.677) 4.625,9.812 4.498,9.812 cw(c4.498,9.946) 4.364,9.946 4.364,10.061 cw(c4.498,10.061) 4.498,10.195 4.625,10.195 ccw(c4.625,10.329) 4.759,10.329 4.759,10.444 ccw(c4.625,10.444) 4.625,10.579 4.498,10.579 cw(c4.498,10.713) 4.364,10.713 4.364,10.828 cw(c4.498,10.828) 4.498,10.962 4.625,10.962 ccw(c4.625,11.096) 4.759,11.096 4.759,11.212 ccw(c4.625,11.212) 4.625,11.346 4.498,11.346 cw(c4.498,11.48) 4.364,11.48 4.364,11.595 cw(c4.498,11.595) 4.498,11.729 4.625,11.729 ccw(c4.625,11.864) 4.759,11.864 4.759,11.979 ccw(c4.625,11.979) 4.625,12.113 4.498,12.113 cw(c4.498,12.247) 4.364,12.247 4.364,12.362 cw(c4.498,12.362) 4.498,12.496 4.625,12.496 ccw(c4.625,12.631) 4.759,12.631 4.759,12.746 ccw(c4.625,12.746) 4.625,12.88 4.498,12.88 cw(c4.498,13.014) 4.364,13.014 4.364,13.129 cw(c4.498,13.129) 4.498,13.263 4.625,13.263 ccw(c4.625,13.398) 4.759,13.398 4.759,13.513 ccw(c4.625,13.513) 4.625,13.647 4.498,13.647 cw(c4.498,13.781) 4.364,13.781 4.364,13.896 cw(c4.498,13.896) 4.498,14.031 4.625,14.031 ccw(c4.625,14.165) 4.759,14.165 4.759,14.28 ccw(c4.625,14.28) 4.625,14.414 4.498,14.414 cw(c4.498,14.548) 4.364,14.548 4.364,14.663 cw(c4.498,14.663) 4.498,14.798 4.625,14.798 ccw(c4.625,14.932) 4.759,14.932 4.759,15.247 5.043,15.532 5.043,20.243 5.102,20.302 5.148,20.348 ccw(c5.053,20.442) 5.148,20.537 5.138,20.547 cw(c5.233,20.641) 5.138,20.736 5.22,20.818 cw(c5.315,20.723) 5.41,20.818 5.585,20.642 ccw(c5.68,20.737) 5.775,20.642 5.856,20.724 ccw(c5.761,20.819) 5.856,20.914 5.586,21.184 cw(c5.681,21.279) 5.586,21.374 5.667,21.455 cw(c5.762,21.36) 5.857,21.455 6.127,21.185 ccw(c6.222,21.28) 6.317,21.185 6.398,21.266 ccw(c6.304,21.361) 6.398,21.456 6.128,21.727 cw(c6.223,21.821) 6.128,21.916 6.209,21.998 cw(c6.304,21.903) 6.399,21.998 6.504,21.893 ccw(c6.598,21.988) 6.693,21.893 6.922,22.122 7.204,22.122 11.997,22.122 12.797,22.922 16.468,22.922 17.646,24.1 18.483,24.1 18.9,23.683 18.9,23.571 18.9,23.249 cw(c18.77,23.249) 18.77,23.12 18.35,23.12 ccw(c18.35,23.03) 18.26,23.03 18.26,22.953 ccw(c18.35,22.953) 18.35,22.863 18.77,22.863 cw(c18.77,22.734) 18.9,22.734 18.9,22.55 18.911,22.539 v1(19.75,21.7)
SA0: DU1.N3 DU2.N3 U2.T17 | length 35.6
  Top Layer w0.127: U2.T17@26.9,21.05 26.91,21.05 27.212,20.747 v1(27.222,20.747) ; v1(44.8,11) 45.4,10.4 DU2.N3@45.4,9.7 ; v1(44.8,21.9) 45.4,21.3 DU1.N3@45.4,20.6
  Int3 (Sign) w0.127: v1(27.222,20.747) 27.6,20.369 27.6,19.771 29.125,18.246 29.672,18.246 31.018,16.9 31.971,16.9 34.333,14.538 43.106,14.538 43.8,15.232 v1(43.8,15.602)
  Bottom Layer w0.127: v1(44.8,11) 44.2,11.6 44.2,12.409 43.788,12.821 43.788,15.588 43.8,15.6 v1(43.8,15.602) 43.759,15.642 43.759,20.778 44.341,21.359 44.341,21.703 44.538,21.9 v1(44.8,21.9)
SA1: DU1.P7 DU2.P7 U2.U18 | length 54.4
  Top Layer w0.127: v1(27.25,22) U2.U18@27.55,21.7 ; DU2.P7@46.2,12.9 46.2,12.2 v1(46.8,11.6) ; DU1.P7@46.2,23.8 46.2,23.1 v1(46.8,22.5)
  Int3 (Sign) w0.127: v1(27.25,22) 27.219,21.969 26.425,21.969 26.394,22 25.641,22 25.2,21.559 25.2,20.241 27.3,18.141 27.3,16.159 28.059,15.4 29.6,15.4 32.854,12.146 37.3,12.146 37.794,11.652 38.951,11.652 39.751,12.451 43.17,12.451 43.656,12.938 47.774,12.938 50.212,15.377 50.212,16.78 50.196,16.796 50.196,16.804 49.181,17.819 v1(47.243,17.819)
  Bottom Layer w0.127: v1(46.8,11.6) 47.146,11.946 47.146,12.505 47.24,12.6 47.24,17.817 v1(47.243,17.819) 47.243,20.898 47.206,20.935 47.206,22.094 v1(46.8,22.5)
SA2: DU1.P3 DU2.P3 U2.V19 | length 43.6
  Top Layer w0.127: v1(27.847,21.956) 27.847,21.976 U2.V19@28.2,22.329 ; v1(45.8,11) 46.2,10.6 DU2.P3@46.2,9.7 ; v1(45.8,21.9) 46.2,21.5 DU1.P3@46.2,20.6
  Int3 (Sign) w0.127: v1(27.847,21.956) 27.88,21.989 27.88,22.199 27.891,22.209 27.891,22.491 27.691,22.691 27.561,22.691 27.561,23.157 27.56,23.159 27.56,23.441 27.759,23.64 27.981,23.64 28.787,24.446 33.054,24.446 36.951,20.549 40.551,20.549 40.848,20.252 42.395,20.252 45.388,17.258 45.873,17.258 45.956,17.34 46.341,17.34 46.56,17.122 v1(46.56,16.77)
  Bottom Layer w0.127: v1(45.8,11) 46.2,11.4 46.2,12.522 46.56,12.881 46.56,14.785 46.558,14.786 46.558,16.768 v1(46.56,16.77) ; v1(45.8,21.9) 45.353,22.347 45.353,23.453 45.542,23.642 45.904,23.642 46.454,23.093 46.454,21.046 46.56,20.941 v1(46.56,16.77) v1@46.558,16.77
SA3: DU1.N2 DU2.N2 U2.V20 | length 35.8
  Top Layer w0.127: U2.V20@28.2,23 28.2,22.995 28.521,22.674 v1(28.521,22.669) ; v1(44.8,10.4) 45,10.2 45,9.3 DU2.N2@45.4,8.9 ; v1(44.8,21.3) 45,21.1 45,20.2 DU1.N2@45.4,19.8
  Int3 (Sign) w0.127: v1(28.521,22.669) 28.5,22.669 28.24,22.928 28.24,23.541 28.892,24.192 32.408,24.192 36.74,19.86 40.459,19.86 40.598,19.998 41.884,19.998 v1(44.431,17.45)
  Bottom Layer w0.127: v1(44.8,10.4) 45.14,10.74 45.14,12.36 44.459,13.04 44.459,16.235 44.478,16.254 44.478,16.536 44.459,16.555 44.459,17.422 v1(44.431,17.45) 44.428,17.454 44.428,20.928 v1(44.8,21.3)
SA4: DU1.P8 DU2.P8 U2.V21 | length 36
  Top Layer w0.127: v1(27.85,24) U2.V21@28.2,23.65 ; v1@45.834,12.334 45.834,13.334 DU2.P8@46.2,13.7 ; v1@45.835,23.235 45.835,24.235 DU1.P8@46.2,24.6
  Int3 (Sign) w0.127: v1(27.85,24) 28.55,24.7 33.991,24.7 36.791,21.9 38,21.9 38.94,20.96 40.5,20.96 40.727,20.732 42.599,20.732 v1(45.732,17.599)
  Bottom Layer w0.127: v1(45.8,12.2) 45.8,12.247 45.91,12.357 45.91,16.808 45.732,16.986 v1(45.732,17.599) 45.732,20.632 46.2,21.1 46.2,22.7 v1(45.8,23.1)
SA5: DU1.P2 DU2.P2 U2.Y19 | length 40
  Top Layer w0.127: v1(28.8,22.346) 28.802,22.348 29.498,22.348 U2.Y19@29.5,22.35 ; v1(45.8,10.4) 45.8,9.3 DU2.P2@46.2,8.9 ; v1(45.8,21.3) 45.8,20.2 DU1.P2@46.2,19.8
  Int3 (Sign) w0.127: v1(28.8,22.346) 28.8,20.841 29.195,20.446 30.007,20.446 30.045,20.484 30.727,20.484 32.311,18.9 32.6,18.9 36,15.5 39.833,15.5 40.027,15.306 41.987,15.306 43,16.318 43,16.6 42.763,16.837 42.236,16.837 41.98,17.093 41.98,17.57 42.309,17.9 43.119,17.9 44.692,16.328 44.849,16.328 v1(45.15,16.027)
  Bottom Layer w0.127: v1(45.8,10.4) 45.4,10.8 45.4,12.5 45.16,12.741 45.16,20.66 v1(45.8,21.3)
SA6: DU1.R8 DU2.R8 U2.Y20 | length 39.1
  Top Layer w0.127: U2.Y20@29.5,23 29.195,23.306 29.195,23.777 29.418,24 30.423,24 31.477,22.946 31.477,22.695 36.088,18.083 38.676,18.083 38.869,17.89 41.776,17.89 41.969,18.083 44.639,18.083 45.522,17.2 45.918,17.2 46.059,17.34 46.574,17.34 46.698,17.217 47.213,17.217 47.334,17.338 47.806,17.338 47.93,17.214 v1(48.622,17.214) ; DU2.R8@47,13.7 47.365,13.334 47.365,12.634 v1(47.8,12.2) ; DU1.R8@47,24.6 47.366,24.235 47.366,23.534 v1(47.8,23.1)
  Bottom Layer w0.127: v1(47.8,12.2) 48.64,13.04 48.64,15.441 48.596,15.485 48.596,17.19 48.62,17.214 48.62,20.536 48.205,20.95 48.205,22.795 47.9,23.1 v1(47.8,23.1)
SA7: DU1.R2 DU2.R2 U2.V15 | length 39.4
  Top Layer w0.127: U2.V15@28.2,19.75 28.505,19.445 28.977,19.445 29.175,19.643 29.175,19.857 29.412,20.095 29.627,20.095 29.898,20.366 29.915,20.366 30.033,20.484 30.916,20.484 31.706,19.694 32.406,19.694 35.543,16.557 40.458,16.557 40.614,16.4 41.527,16.4 41.755,16.629 42.037,16.629 42.319,16.347 42.319,16.318 42.583,16.054 44.264,16.054 44.862,15.456 46.69,15.456 46.788,15.554 47.754,15.554 v1(48,15.8) ; DU2.R2@47,8.9 47.405,9.305 47.405,10.605 v1(47.8,11) ; DU1.R2@47,19.8 47.405,20.205 47.405,21.505 v1(47.8,21.9)
  Bottom Layer w0.127: v1(47.8,11) 47.4,11.4 47.4,12.338 47.941,12.879 47.941,20.559 47.46,21.04 47.46,21.559 v1(47.8,21.9)
SA8: DU1.T8 DU2.T8 U2.W18 | length 53.2
  Top Layer w0.127: v1(28.296,21.442) 28.554,21.7 U2.W18@28.85,21.7 ; DU2.T8@47.8,13.7 48.2,13.3 48.2,12.9 48.8,12.3 v1(48.8,12.2) ; DU1.T8@47.8,24.6 48.2,24.2 48.2,23.8 v1@48.8,23.2
  Int3 (Sign) w0.127: v1(28.296,21.442) 27.727,21.442 27.511,21.658 26.377,21.658 26.307,21.728 25.728,21.728 25.5,21.5 25.5,20.3 27.554,18.246 27.554,16.264 28.1,15.718 29.682,15.718 33,12.4 37.441,12.4 37.935,11.906 38.846,11.906 39.646,12.705 43.065,12.705 43.551,13.192 47.668,13.192 49.958,15.482 49.958,16.675 49.733,16.9 49.444,16.9 v1(48.937,16.393)
  Bottom Layer w0.127: v1(48.8,12.2) 49.091,12.491 49.091,14.341 48.937,14.496 v1(48.937,16.393) 48.962,16.419 48.962,18.413 49.091,18.542 49.091,20.489 48.459,21.12 48.459,22.759 v1(48.8,23.1)
SA9: DU1.R3 DU2.R3 U2.Y18 | length 35.9
  Top Layer w0.127: v1(46.8,10.4) 46.8,9.9 DU2.R3@47,9.7 ; v1(46.8,21.3) 46.8,20.8 DU1.R3@47,20.6
  Int2 (Sign) w0.127: v1(46.8,10.4) 47.459,11.059 47.459,12.459 47.6,12.6 47.6,20.5 v1(46.8,21.3)
  Int3 (Sign) w0.127: v1(29.507,21.704) 29.554,21.704 29.711,21.547 29.912,21.547 30.45,21.009 31.091,21.009 32.1,20 32.9,20 36.554,16.346 41.046,16.346 41.556,16.856 41.556,17.506 42.204,18.154 43.225,18.154 44.797,16.582 45.076,16.582 45.524,16.134 47.041,16.134 47.6,16.693 v1(47.6,16.998)
SA10: DU1.L7 DU2.L7 U2.P19 | length 38.7
  Top Layer w0.127: U2.P19@25.6,22.35 25.944,22.006 25.944,21.392 v1(25.949,21.387) ; v1@42.7,11.747 DU2.L7@43.8,12.847 ; v1(42.7,22.6) 42.7,22.647 43.8,23.747 DU1.L7@43.8,23.8 DU1.L7@43.873,23.8
  Int3 (Sign) w0.127: v1(25.949,21.387) 27.423,21.387 27.622,21.188 27.63,21.188 28.154,20.664 28.154,19.936 29.33,18.759 29.68,18.759 29.738,18.818 30.518,18.818 31.035,18.3 32.441,18.3 35.695,15.046 42.146,15.046 43.254,16.154 43.254,16.705 42.725,17.234 v1(42.32,17.234)
  Bottom Layer w0.127: v1(42.7,11.7) 43,12 43,13.5 42.354,14.146 42.354,14.405 42.319,14.44 42.319,17.233 v1(42.32,17.234) 42.32,20.12 43.041,20.84 43.041,22.26 v1(42.7,22.6)
SA11: DU1.R7 DU2.R7 U2.N19 | length 41.7
  Top Layer w0.127: v1@24.631,22.031 U2.N19@24.95,22.35 ; v1(46.8,12.2) 46.988,12.388 DU2.R7@46.988,12.888 ; v1(46.8,23.1) 46.988,23.288 46.988,23.788 DU1.R7@47,23.8
  Int2 (Sign) w0.127: v1(46.8,12.2) 46.8,12.7 46.902,12.802 46.902,18.062 v1@46.935,18.095 ; v1(46.8,23.1) 46.4,22.7 46.4,20.7 46.902,20.198 v1(46.902,18.095)
  Int3 (Sign) w0.127: v1(24.631,22.019) 24.631,23.231 26.654,25.254 36.046,25.254 37.55,23.75 42.75,23.75 43.459,23.041 43.459,21.159 46.523,18.095 v1(46.902,18.095)
SA12: DU1.N7 DU2.N7 U2.R18 | length 42.8
  Top Layer w0.127: U2.R18@26.25,21.7 v1(26.859,22.31) ; v1@44.8,12.247 45.4,12.847 DU2.N7@45.4,12.9 ; v1(44.8,23.1) 44.8,23.147 45.4,23.747 DU1.N7@45.4,23.8
  Int2 (Sign) w0.127: v1(44.8,12.2) 46.2,13.6 v1(46.2,17) 46.1,17.1 46.1,20.1 45.3,20.9 45.3,22.6 v1(44.8,23.1)
  Int3 (Sign) w0.127: v1(26.859,22.31) 26.859,23.46 27,23.6 27,23.632 28.368,25 34.967,25 37.027,22.941 42.841,22.941 43.058,22.724 43.058,20.717 43.274,20.5 43.313,20.5 45.971,17.841 46.2,17.841 46.9,17.141 46.9,16.629 46.701,16.429 46.319,16.429 46.2,16.548 v1(46.2,17)
SA13: DU1.T3 DU2.T3 U2.V12 | length 34.6
  Top Layer w0.127: U2.V12@28.2,17.8 28.505,18.106 28.977,18.106 29.155,17.927 29.155,17.636 29.332,17.46 29.408,17.46 32.22,17.46 34.659,15.021 46.614,15.021 46.893,15.3 v1(48.3,15.3) ; DU2.T3@47.8,9.7 v1(47.8,10.4) ; DU1.T3@47.8,20.6 v1(47.8,21.3)
  Int2 (Sign) w0.127: v1(47.8,10.4) 48.3,10.9 v1(48.3,15.3) 48.28,15.32 48.341,15.381 48.341,17.014 48.281,17.073 48.281,20.819 v1(47.8,21.3)
SA14: DU1.T7 DU2.T7 U2.N17 | length 47.3
  Top Layer w0.127: U2.N17@24.95,21.05 24.952,21.05 25.286,20.716 25.903,20.716 v1(25.92,20.733) ; DU2.T7@47.8,12.9 48.3,12.4 48.3,12.1 v1(48.8,11.6) ; DU1.T7@47.8,23.8 48.3,23.3 48.3,23 v1(48.8,22.5)
  Int3 (Sign) w0.127: v1(25.92,20.733) 25.909,20.722 25.909,20.259 27.808,18.36 27.808,16.41 28.218,16 29.9,16 33.2,12.7 37.5,12.7 38.041,12.16 38.741,12.16 39.541,12.959 42.959,12.959 43.446,13.446 47.441,13.446 49.651,15.656 49.651,16.5 v1(49.618,16.533)
  Bottom Layer w0.127: v1(48.8,11.6) 49.8,12.6 49.8,16.304 49.618,16.487 v1(49.618,16.533) ; v1(48.8,22.5) 49.6,21.7 v1@49.6,16.542
SA15: DU1.M7 DU2.M7 U2.R17 | length 37.6
  Top Layer w0.127: U2.R17@26.25,21.05 26.258,21.05 26.546,20.762 v1(26.554,20.762) ; v1@43.8,11.621 44.459,12.28 44.459,12.759 DU2.M7@44.6,12.9 ; v1(43.8,22.5) 44.459,23.16 44.459,23.639 44.6,23.779 DU1.M7@44.6,23.8
  Int3 (Sign) w0.127: v1(26.554,20.762) 26.88,21.088 27.363,21.088 27.517,20.934 27.525,20.934 27.9,20.559 27.9,19.831 29.231,18.5 29.859,18.5 31.155,17.205 32.574,17.205 34.986,14.792 42.394,14.792 43.508,15.906 43.508,17.03 v1(43.058,17.48)
  Bottom Layer w0.127: v1(43.8,11.6) 43.3,12.1 43.3,13.6 43.029,13.871 43.029,16.343 43.058,16.373 43.058,17.462 43.041,17.48 43.041,20.441 43.4,20.8 43.4,22.1 v1(43.8,22.5)
SBA0: DU1.M2 DU2.M2 U2.W17 | length 32.8
  Top Layer w0.127: U2.W17@28.85,21.05 29.194,20.706 29.612,20.706 29.617,20.701 29.899,20.701 29.936,20.738 31.38,20.738 31.909,20.209 32.25,20.209 35.648,16.811 40.705,16.811 40.815,16.701 41.401,16.701 41.594,16.894 42.788,16.894 42.982,16.7 43.833,16.7 v1(44.138,16.395) ; v1(43.8,10.4) 44.235,9.965 44.235,9.266 DU2.M2@44.6,8.9 ; v1(43.8,21.3) 44.235,20.865 44.235,20.166 DU1.M2@44.6,19.8
  Int2 (Sign) w0.127: v1(43.8,10.4) 43.8,10.518 43.146,11.172 43.146,12.501 44.14,13.495 44.14,16.357 44.103,16.395 44.103,16.697 44.059,16.74 44.048,20.806 43.886,20.967 43.886,21.214 v1(43.8,21.3)
SBA1: DU1.N8 DU2.N8 U2.T18 | length 39.4
  Top Layer w0.127: U2.T18@26.9,21.7 26.9,21.487 27.287,21.1 27.726,21.1 27.946,21.321 27.946,21.573 28.378,22.006 29.327,22.006 29.366,22.045 31.767,22.045 35.982,17.829 38.571,17.829 38.764,17.636 41.881,17.636 42.074,17.829 44.534,17.829 45.5,16.863 v1(45.5,16.674) ; v1(43.8,12.2) 44.166,12.565 44.166,12.982 44.518,13.334 45.034,13.334 DU2.N8@45.4,13.7 ; v1(43.8,23.1) 44.166,23.466 44.166,23.882 44.518,24.235 45.035,24.235 DU1.N8@45.4,24.6
  Int2 (Sign) w0.127: v1(43.8,12.2) 44.246,12.646 44.546,12.646 45.5,13.6 v1(45.5,16.674) ; v1(43.8,23.1) 44.394,22.505 44.394,21.206 45.392,20.208 45.392,17.458 45.5,17.35 v1@45.5,16.676
SBA2: DU1.M3 DU2.M3 U2.V17 | length 34.7
  Top Layer w0.127: U2.V17@28.2,21.05 28.22,21.03 28.47,21.03 28.544,21.105 28.544,21.206 28.702,21.364 29.648,21.364 29.666,21.382 30.48,21.382 30.598,21.263 31.412,21.263 31.644,21.496 31.927,21.496 36.358,17.065 40.81,17.065 40.92,16.955 41.296,16.955 41.508,17.168 41.772,17.168 42.179,17.575 42.481,17.575 42.936,17.12 44.161,17.12 44.247,17.035 44.781,17.035 v1(44.814,17.068) ; v1@43.8,10.918 44.6,10.118 DU2.M3@44.6,9.7 ; v1(43.8,21.9) 43.8,21.818 44.6,21.018 DU1.M3@44.6,20.6
  Int2 (Sign) w0.127: v1(43.8,11) 43.4,11.4 43.4,12.281 44.018,12.9 44.3,12.9 44.809,13.409 44.809,17.064 v1(44.814,17.068) ; v1(43.8,21.9) 44.14,21.559 44.14,21.072 44.814,20.399 44.814,17.13 v1@44.845,17.099
SCAS: DU1.K3 DU2.K3 U2.U15 | length 33
  Top Layer w0.127: U2.U15@27.55,19.75 28.2,19.1 29.018,19.1 29.359,19.44 32.251,19.44 35.423,16.269 40.386,16.269 40.555,16.1 41.708,16.1 v1(41.896,16.288) ; v1(41.5,11.2) 41.8,11.2 42.359,10.641 42.359,10.059 42.559,9.859 42.676,9.743 DU2.K3@42.957,9.743 ; v1(41.5,22.1) 41.8,22.1 42.3,21.6 42.3,21.018 42.676,20.643 42.957,20.643 DU1.K3@43,20.6
  Int2 (Sign) w0.127: v1(41.5,11.2) 41.154,11.546 41.154,11.895 42.14,12.881 42.14,14.807 41.9,15.048 41.9,16.284 v1(41.896,16.288) ; v1(41.5,22.1) 42.14,21.459 42.14,18.354 41.9,18.113 v1@41.9,16.3
SCK_N: DU1.K7 DU2.K7 R26.2 U2.AA20 | length 36.1
  Top Layer w0.13: v1@39.533,11.134 40.04,11.641 40.958,11.641 41.386,12.069 42.395,12.069 42.779,12.454 42.779,12.709 42.97,12.9 DU2.K7@43,12.9 ; v1@39.533,22.034 40.04,22.541 41.967,22.541 42.779,23.354 42.779,23.609 42.97,23.8 DU1.K7@43,23.8
  Int2 (Sign) w0.13: v1@37.639,17.413 37.639,17.468 37.453,17.654 37.453,17.781 37.241,17.993 37.241,21.335 38.844,22.938 39.46,22.938 39.746,22.652 39.746,22.248 39.533,22.034 39.533,21.933 v1(39.5,21.9) ; v1(37.656,17.405) 37.656,17.039 37.699,16.996 37.699,14.099 37.236,13.636 37.236,12.067 38.653,10.649 39.058,10.649 39.341,10.932 39.386,10.932 39.454,11 v1(39.5,11)
  Int3 (Sign) w0.13: v1(30.15,23) 29.889,22.739 29.889,22.336 30.269,21.955 30.595,21.955 30.605,21.946 30.902,21.946 31.413,21.946 31.758,21.6 32.8,21.6 36.962,17.438 37.623,17.438 v1(37.656,17.405)
SCK_P: DU1.J7 DU2.J7 R26.1 U2.AA19 | length 32.7
  Top Layer w0.13: 39.259,11.368 39.891,12 40.81,12 41.237,12.428 42.246,12.428 42.421,12.602 42.421,12.709 42.23,12.9 DU2.J7@42.2,12.9 ; 39.259,22.268 39.891,22.9 41.819,22.9 42.421,23.502 42.421,23.609 42.23,23.8 DU1.J7@42.2,23.8
  Int2 (Sign) w0.13: v1@38.162,17.392 38.129,17.36 38.129,17.068 38.057,16.996 38.057,13.95 37.594,13.487 37.594,12.215 38.802,11.007 38.909,11.007 39.067,11.166 39.067,11.267 v1(39.1,11.3) ; v1(38.162,17.405) 38.162,17.451 37.998,17.616 37.998,17.744 37.6,18.142 37.6,21.187 38.992,22.579 39.311,22.579 39.387,22.503 39.387,22.396 39.259,22.268 39.214,22.268 39.146,22.2 v1(39.1,22.2)
  Int3 (Sign) w0.13: v1(30.247,22.484) 30.428,22.304 31.561,22.304 31.907,21.959 32.949,21.959 36.983,17.924 37.644,17.924 v1@38.162,17.406
SCKE0: DU1.K9 DU2.K9 U2.AA21 | length 29
  Top Layer w0.127: U2.AA21@30.15,23.65 30.184,23.616 30.867,22.933 30.967,22.933 v1(31,22.9) ; v1(42.6,13.3) 42.6,14.1 DU2.K9@43,14.5 ; v1(42.6,24.2) 42.6,25 DU1.K9@43,25.4
  Int3 (Sign) w0.127: v1(31,22.9) 31.4,23.3 32.5,23.3 36.74,19.06 40.46,19.06 40.659,19.259 40.659,19.541 40.859,19.74 41.46,19.74 v1(41.8,19.4)
  Bottom Layer w0.127: v1(42.6,13.3) 42.1,13.8 42.1,14.3 41.908,14.492 41.908,15.795 41.556,16.147 41.556,19.156 v1(41.8,19.4) 41.841,19.44 41.841,23.441 v1(42.6,24.2)
SCKE1: DU1.J9 DU2.J9 U2.Y21 | length 30.4
  Top Layer w0.127: U2.Y21@29.5,23.65 29.5,23.646 29.747,23.4 v1(29.8,23.4) ; v1(41.8,13.3) 41.8,14.1 DU2.J9@42.2,14.5 ; v1(41.8,24.2) 41.8,25 DU1.J9@42.2,25.4
  Int3 (Sign) w0.127: v1(29.8,23.4) 30.4,23.4 30.659,23.14 30.659,22.759 30.859,22.56 32.764,22.56 36.923,18.4 37.8,18.4 38.37,17.829 40.829,17.829 41.4,18.4 41.4,19 v1(41,19.4)
  Bottom Layer w0.127: v1(41.8,13.3) 41.8,14.2 40.782,15.218 40.782,18.2 41,18.418 v1(41,19.4) 41,22.6 41.4,23 41.4,23.8 v1(41.8,24.2)
SCS0: DU1.L2 DU2.L2 U2.W20 | length 34.2
  Top Layer w0.127: U2.W20@28.85,23 v1(29.15,22.7) ; v1(42.7,10.2) 43.159,10.2 43.205,10.154 43.435,9.925 43.435,9.342 43.8,8.976 DU2.L2@43.8,8.9 ; v1(42.7,21.1) 43.159,21.1 43.435,20.825 43.435,20.325 43.8,19.959 DU1.L2@43.8,19.8
  Int2 (Sign) w0.127: v1(42.659,16.459) 42.659,13.841 42.941,13.56 42.941,13.159 41.953,12.171 41.953,10.947 v1(42.7,10.2) ; v1@42.7,16.5 v1(42.7,21.1)
  Int3 (Sign) w0.127: v1(29.15,22.7) 29.15,22.2 29.054,22.104 29.054,20.946 29.3,20.7 29.901,20.7 29.94,20.738 31.003,20.738 32.141,19.6 32.6,19.6 36.2,16 39.692,16 40.125,15.567 41.767,15.567 v1(42.659,16.459)
SCS1: DU1.L1 DU2.L1 U2.W21 | length 35.4
  Top Layer w0.127: v1(28.581,23.35) 28.581,23.366 28.85,23.634 U2.W21@28.85,23.65 ; v1(41.5,10.2) 41.766,9.934 41.766,9.618 42.114,9.269 43.148,9.269 43.37,9.047 43.37,8.53 DU2.L1@43.8,8.1 ; v1(41.5,21.1) 41.766,20.834 41.766,20.518 42.114,20.169 43.148,20.169 43.37,19.947 43.37,19.43 DU1.L1@43.8,19
  Int2 (Sign) w0.127: v1@41.46,21.06 41.46,18.56 41.122,18.222 v1(41.122,17.296) 41.122,16.096 41.341,15.877 41.341,12.661 40.829,12.149 40.829,10.871 v1(41.5,10.2)
  Int3 (Sign) w0.127: v1(28.581,23.35) 28.852,23.079 29.253,23.079 29.633,22.698 29.633,22.23 30.6,21.263 31.196,21.263 31.759,20.7 33.1,20.7 37.2,16.6 40.749,16.6 41.104,16.955 41.104,17.278 v1(41.122,17.296)